# Altium PCB DL4-1AA.PcbDoc (part 4 of 5)
Units mm, origin at the board's own origin, x right, y up, seen from the top; angles counter-clockwise.
Board outline 200 x 80 mm, 4 copper layers (Top Layer, Mid 1 (GND), Mid 2 (PWR), Bottom Layer), stack 1.586 mm thick; 460 components, 324 nets, 1477 pads, 491 vias.
Unrouted connection lines stored in the file: 2.
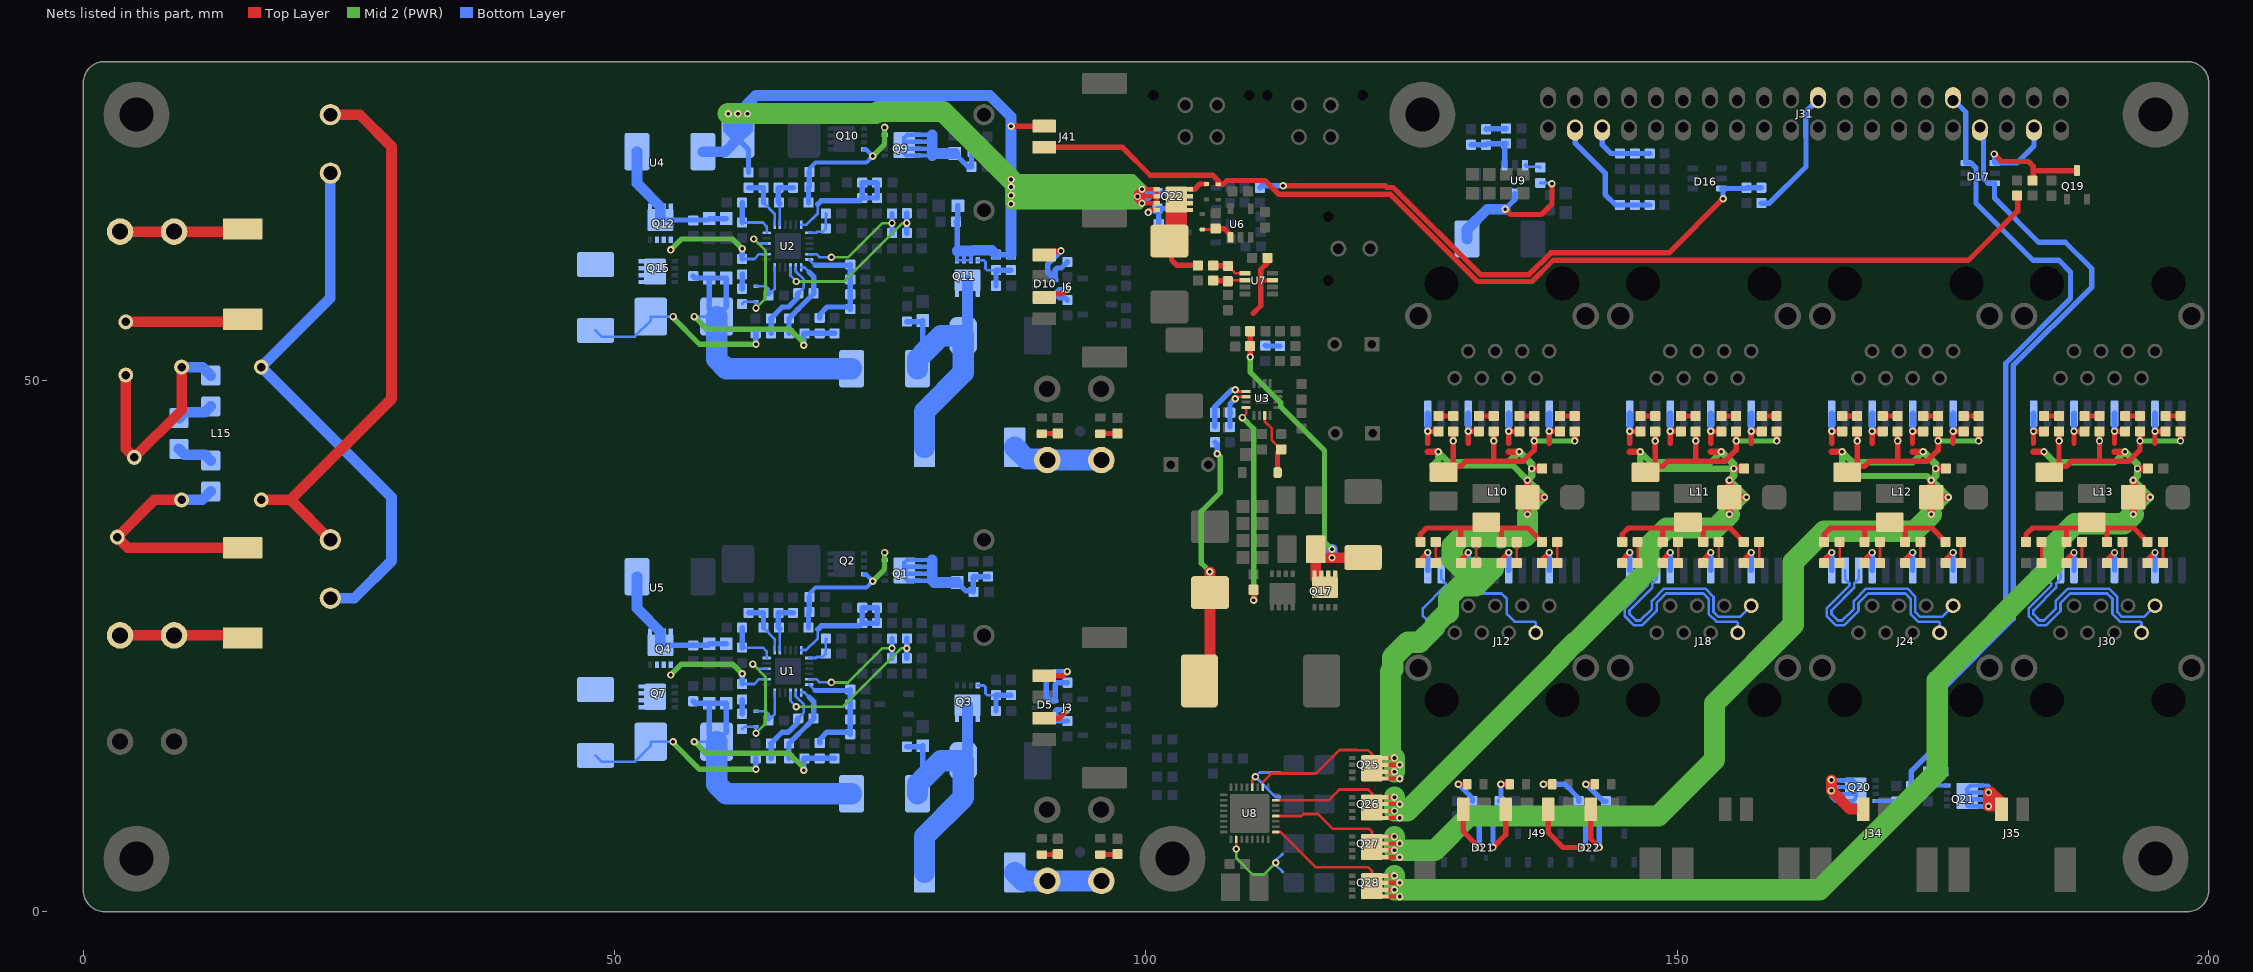
[diagram p6: the nets of this part, all layers, seen from the top]

## Via types
v1: diameter 0.7, hole 0.35, Top Layer to Bottom Layer, tented both sides, 480 vias
v2: diameter 0.7, hole 0.35, Top Layer to Bottom Layer, 11 vias

## Nets (pads, with @x,y where several pads share a name; then routed paths per layer and width w, separated by ;. In a path a pad name is that pad's centre, name@x,y a point inside that pad or via, vN(x,y) a via of type N, cw(c..) or ccw(c..) an arc to the next point about the centre after c; other vN are vias at no path point) (continued)
"IN_TD3_Ethernet Channel 1_P": J12.7 L10.23 | length 21
  Bottom Layer w0.25: L10.23@127.785,32.125 127.785,31.31 128.195,30.9 128.195,30.695 126.05,28.55 126.05,27.814 126.914,26.95 127.686,26.95 129.05,28.314 129.05,29.05 129.95,29.95 133.45,29.95 133.95,29.45 133.95,28.014 134.663,27.3 136.572,27.3 136.675,27.197 J12.7@136.675,26.25
"IN_TD3_Ethernet Channel 2_N": J18.8 L11.22 | length 20.9
  Bottom Layer w0.25: L11.22@148.055,32.125 148.055,31.31 147.645,30.9 147.645,30.509 145.5,28.364 145.5,28 146.1,27.4 146.5,27.4 147.6,28.5 147.6,29.236 148.764,30.4 152.636,30.4 153.4,29.636 153.4,28.2 153.85,27.75 155.905,27.75 J18.8@156.945,28.79
"IN_TD3_Ethernet Channel 2_P": J18.7 L11.23 | length 21
  Bottom Layer w0.25: L11.23@146.785,32.125 146.785,31.31 147.195,30.9 147.195,30.695 145.05,28.55 145.05,27.814 145.914,26.95 146.686,26.95 148.05,28.314 148.05,29.05 148.95,29.95 152.45,29.95 152.95,29.45 152.95,28.014 153.663,27.3 155.572,27.3 155.675,27.197 J18.7@155.675,26.25
"IN_TD3_Ethernet Channel 3_N": J24.8 L12.22 | length 20.9
  Bottom Layer w0.25: L12.22@167.055,32.125 167.055,31.31 166.645,30.9 166.645,30.509 164.5,28.364 164.5,28 165.1,27.4 165.5,27.4 166.6,28.5 166.6,29.236 167.764,30.4 171.636,30.4 172.4,29.636 172.4,28.2 172.85,27.75 174.905,27.75 J24.8@175.945,28.79
"IN_TD3_Ethernet Channel 3_P": J24.7 L12.23 | length 21
  Bottom Layer w0.25: L12.23@165.785,32.125 165.785,31.31 166.195,30.9 166.195,30.695 164.05,28.55 164.05,27.814 164.914,26.95 165.686,26.95 167.05,28.314 167.05,29.05 167.95,29.95 171.45,29.95 171.95,29.45 171.95,28.014 172.663,27.3 174.572,27.3 174.675,27.197 J24.7@174.675,26.25
"IN_TD3_Ethernet Channel 4_N": J30.8 L13.22 | length 20.9
  Bottom Layer w0.25: L13.22@186.055,32.125 186.055,31.31 185.645,30.9 185.645,30.509 183.5,28.364 183.5,28 184.1,27.4 184.5,27.4 185.6,28.5 185.6,29.236 186.764,30.4 190.636,30.4 191.4,29.636 191.4,28.2 191.85,27.75 193.905,27.75 J30.8@194.945,28.79
"IN_TD3_Ethernet Channel 4_P": J30.7 L13.23 | length 21
  Bottom Layer w0.25: L13.23@184.785,32.125 184.785,31.31 185.195,30.9 185.195,30.695 183.05,28.55 183.05,27.814 183.914,26.95 184.686,26.95 186.05,28.314 186.05,29.05 186.95,29.95 190.45,29.95 190.95,29.45 190.95,28.014 191.663,27.3 193.572,27.3 193.675,27.197 J30.7@193.675,26.25
"ISET1_Charger Lower": R29.2 R32.1 U1.11 | length 11.1
  Mid 2 (PWR) w0.25: v1(70.399,21.574) 71.974,21.574 75.2,24.8 v1(76.099,24.8)
  Bottom Layer w0.25: U1.11@68.3,21.877 68.972,21.877 69.262,21.587 70.386,21.587 v1(70.399,21.574)
  Bottom Layer w0.5: R29.2@76.099,23.852 v1(76.099,24.8) R32.1@76.099,25.702
"ISET1_Charger Upper": R63.2 R66.1 U2.11 | length 11.1
  Mid 2 (PWR) w0.25: v1(70.399,61.574) 71.974,61.574 75.2,64.8 v1(76.099,64.8)
  Bottom Layer w0.25: U2.11@68.3,61.877 68.972,61.877 69.262,61.587 70.386,61.587 v1(70.399,61.574)
  Bottom Layer w0.5: R63.2@76.099,63.852 v1(76.099,64.8) R66.1@76.099,65.702
"ISET2_Charger Lower": R30.2 R33.1 U1.15 | length 16.1
  Mid 2 (PWR) w0.25: v1(67.099,19.3) 71.5,19.3 77,24.8 v1(77.499,24.8)
  Bottom Layer w0.25: U1.15@66.55,20.627 66.55,19.849 v1(67.099,19.3)
  Bottom Layer w0.5: R30.2@77.499,23.852 v1(77.499,24.8) ; v1(77.499,24.8) R33.1@77.499,25.727
"ISET2_Charger Upper": R64.2 R67.1 U2.15 | length 16.1
  Mid 2 (PWR) w0.25: v1(67.099,59.3) 71.6,59.3 77.1,64.8 v1(77.499,64.8)
  Bottom Layer w0.25: U2.15@66.55,60.627 66.55,59.849 v1(67.099,59.3)
  Bottom Layer w0.5: R64.2@77.499,63.852 v1(77.499,64.8) ; v1(77.499,64.8) R67.1@77.499,65.727
ISNS+: C65.2 R71.2 U3.5 | length 5.6
  Top Layer w0.25: v1(108.4,49.125) 108.575,48.95 U3.5@109.425,48.95
  Bottom Layer w0.5: R71.2@106.5,45.625 106.5,45.65 106.475,45.675 C65.2@106.475,46.95 106.475,47.525 108.075,49.125 v1(108.4,49.125)
ISNS-: C65.1 R70.2 U3.6 | length 4
  Top Layer w0.25: v1(108.4,48.275) 108.575,48.45 U3.6@109.425,48.45
  Bottom Layer w0.5: R70.2@107.9,45.625 107.9,46.925 C65.1@107.925,46.95 ; C65.1@107.913,46.937 107.913,47.787 v1@108.314,48.188 ; v1@108.314,48.189 v1(108.4,48.275)
L: F3.1 J38.1 | length 11.6
  Top Layer w1: J38.1@3.46,26 J38.1@8.54,26 14.75,26 F3.1@15,25.75
L_f: F3.2 L15.3 R124.1 R125.1 | length 22.8
  Top Layer w1: L15.3@9.25,38.75 6.7,38.75 R124.1@3.2,35.25 4.2,34.25 F3.2@15,34.25
  Bottom Layer w1: L15.3@9.25,38.75 11.2,38.75 R125.1@12,39.55
L_filt: L15.1 U4.1 U5.1 | length 52.2
  Top Layer w1: L15.1@16.75,38.75 19.5,38.75 ; U5.1@23.25,35 19.5,38.75 ; U4.1@23.25,75 26,75 29,72 29,48.25 19.5,38.75
LDRV: R77.1 U3.8 | length 19.7
  Top Layer w0.25: v1(109.075,46.5) 109.425,46.85 U3.8@109.425,47.45
  Top Layer w0.5: v1(110.125,29.3) R77.1@110.125,30.3
  Mid 2 (PWR) w0.5: v1(109.075,46.5) 110.125,45.45 v1(110.125,29.3)
LN1: R125.2 R126.2 | length 3.5
  Bottom Layer w1: R126.2@9,43.55 9.55,43 11.45,43 R125.2@12,42.45
LN2: R126.1 R127.1 | length 3.5
  Bottom Layer w1: R126.1@9,46.45 9.55,47 11.45,47 R127.1@12,47.55
N: F4.1 J39.1 | length 11.6
  Top Layer w1: J39.1@3.46,64 J39.1@8.54,64 14.75,64 F4.1@15,64.25
N1: F4.2 R128.1 | length 11.1
  Top Layer w1: R128.1@4,55.5 14.75,55.5 F4.2@15,55.75
N_f: L15.4 R124.2 R127.2 R128.2 | length 21.5
  Top Layer w1: R128.2@4,50.5 4,43.55 R124.2@4.8,42.75 9.25,47.2 L15.4@9.25,51.25
  Bottom Layer w1: L15.4@9.25,51.25 11.2,51.25 R127.2@12,50.45
N_filt: L15.2 U4.2 U5.2 | length 51.5
  Bottom Layer w1: U5.2@23.25,29.5 25.5,29.5 29,33 29,39 L15.2@16.75,51.25 23.25,57.75 U4.2@23.25,69.5
NetC3_2: C3.2 Q1.G Q2.G R4.2 R7.1 | length 14.6
  Mid 2 (PWR) w0.5: v1(74.294,31.106) 75.4,32.213 v1(75.4,33.8)
  Bottom Layer w0.25: Q1.G@75.4,33.102 v1(75.4,33.8)
  Bottom Layer w0.4: C3.2@68.326,29.599 68.326,29.926 68.9,30.5 73.687,30.5 v1(74.294,31.106) 73.648,31.752 Q2.G@73.46,31.752
  Bottom Layer w0.5: R7.1@68.25,26.727 R4.2@68.25,28.199 ; R4.2@68.326,28.199 C3.2@68.326,29.599
NetC4_1: C4.1 C10.1 R2.2 U1.2 | length 5
  Bottom Layer w0.25: U1.2@65.55,24.627 C4.1@65.55,26.627
  Bottom Layer w0.5: C4.1@65.55,26.627 C4.1@65.45,26.727 65.4,26.777 C10.1@65.4,28.127 R2.2@66.8,28.127
NetC4_2: C4.2 C8.1 R3.2 U1.1@65.05,24.627 | length 5.3
  Bottom Layer w0.25: C4.2@64,26.727 65.05,25.677 U1.1@65.05,24.627
  Bottom Layer w0.5: R3.2@62.6,28.127 C8.1@64,28.127 C4.2@64,26.727
NetC5_1: C5.1 C6.1 C7.1 L1.2 Q4.D | length 15.4
  Bottom Layer w0.25: C5.1@58.76,25.087 60.36,25.087 C6.1@60.5,25.227
  Bottom Layer w0.5: Q4.D@54.3,25.087 58.76,25.087 C5.1@58.9,25.227 C6.1@60.5,25.227
  Bottom Layer w1: L1.2@52.1,31.527 52.1,28.552 54.3,26.352 Q4.D@54.3,25.087
NetC9_2: C9.2 Q3.G R5.2 R6.2 | length 5.3
  Bottom Layer w0.25: Q3.G@84.175,21.287 84.74,21.287 84.895,21.133 84.895,20.529 85.049,20.375 R5.2@85.899,20.375 R5.2@85.887,20.362 ; R6.2@85.874,18.9 R6.2@85.887,18.912
  Bottom Layer w0.5: R6.2@85.887,18.912 R5.2@85.887,20.362 ; R5.2@85.899,20.375 C9.2@87.299,20.375
NetC11_2: C11.2 R8.1 U1.24 | length 4.9
  Bottom Layer w0.25: C11.2@62,24.852 63.947,24.852 64.3,24.499 U1.24@64.3,23.877
  Bottom Layer w0.5: C11.2@62,24.852 R8.1@62,26.727
NetC12_1: C12.1 R12.2 | length 1.3
  Bottom Layer w0.5: R12.2@62,18.625 C12.1@62,19.975
NetC12_2: C12.2 L2.1 Q4.S Q7.D U1.20 | length 11
  Mid 2 (PWR) w0.5: v1(55.275,22.276) 56.299,23.3 61.1,23.3 v1(62,22.4)
  Bottom Layer w0.25: C12.2@62,21.425 63.154,21.425 63.606,21.877 U1.20@64.3,21.877
  Bottom Layer w0.5: C12.2@62,21.425 v1(62,22.4)
NetC13_1: C13.1 C14.1 C15.1 C16.1 L3.2 R11.2 R14.1 R15.1 | length 45.8
  Mid 2 (PWR) w0.5: v1(57.5,16) 58.6,14.9 66.4,14.9 67.8,13.5 v1(67.8,13.3)
  Bottom Layer w0.25: v1(57.5,16) R11.2@59.599,16 ; R14.1@67.8,14.377 R14.1@67.85,14.427
  Bottom Layer w0.5: C16.1@57.4,19.802 57.575,19.627 C15.1@58.9,19.627 ; v1(67.8,13.3) R14.1@67.8,14.377 ; R14.1@67.85,14.427 C13.1@69.3,14.427 R15.1@70.7,14.427 ; C15.1@58.9,19.627 58.9,16.699 R11.2@59.599,16 60.5,16.901 C14.1@60.5,19.627 C15.1@58.9,19.627
  Bottom Layer w2: R11.2@59.599,16 59.599,12 60.499,11.1 L3.2@72.299,11.1
NetC13_2: C13.2 R21.2 R23.2 R25.1 R28.1 U1.12 | length 11.9
  Bottom Layer w0.25: U1.12@68.3,21.377 68.853,20.824
  Bottom Layer w0.5: 68.853,20.824 72.098,20.824 R28.1@72.174,20.9 R25.1@72.174,19.5 R23.2@72.174,18.1 72.174,16.9 R21.2@72.174,16.7 71.974,16.9 70,16.9 69.3,16.2 C13.2@69.3,15.877
NetC17_1: C17.1 C18.1 D2.1 F1.1 L3.1 Q3.D | length 28.4
  Bottom Layer w0.25: C17.1@78.826,15.527 C17.1@78.899,15.6
  Bottom Layer w0.5: C18.1@77.5,15.527 78.826,15.527 78.9,15.527 C17.1@79,15.627 79,12.5 L3.1@78.499,11.999
  Bottom Layer w1: D2.1@82.7,14.1 D2.1@82.8,14.2 83.2,14.6 Q3.D@83.2,19.427
  Bottom Layer w2: L3.1@78.499,11.1 L3.1@78.499,11.999 ; L3.1@79,12.5 80.7,14.2 D2.1@82.8,14.2 82.8,10.725 79.15,7.075 F1.1@79.15,3.7
NetC19_1: C19.1 C23.1 R13.2 U1.14 | length 8.1
  Bottom Layer w0.25: U1.14@67.05,20.627 67.05,20.41 67.05,20.25 67.199,20.101 67.348,19.952 67.8,19.5 67.8,18.726 C19.1@67.274,18.2
  Bottom Layer w0.5: R13.2@64.725,14.427 64.725,15.802 C23.1@64.7,15.827 65.773,16.9 66.357,16.9 67.178,17.722 67.178,18.104 C19.1@67.274,18.2
NetC19_2: C19.2 C24.1 R14.2 U1.13 | length 7.8
  Bottom Layer w0.25: U1.13@67.55,20.627 67.873,20.627 68.3,20.2
  Bottom Layer w0.5: R14.2@66.4,14.427 C24.1@66.4,15.827 66.975,16.402 66.975,16.412 67.265,16.702 67.275,16.702 C19.2@68.724,18.151 ; 68.3,20.2 68.724,19.776 C19.2@68.724,18.2
NetC20_2: C20.2 D1.2 U1.18 | length 4.8
  Bottom Layer w0.25: D1.2@63.3,18.852 64.248,18.852 64.474,18.626 C20.2@64.474,18 65.05,18.576 U1.18@65.05,20.627
NetC21_1: C21.1 C22.1 U1.7 | length 3.4
  Bottom Layer w0.25: U1.7@68.3,23.877 68.927,23.877 69.024,23.975 69.549,23.975 C21.1@69.874,24.3 C22.1@69.874,25.5 ; C22.1@69.874,25.5 C22.1@69.874,25.7 69.974,25.6 C22.1@69.874,25.5
NetC25_1: C25.1 R24.2 R26.1 R27.1 U1.6 | length 13
  Bottom Layer w0.25: U1.6@67.55,24.627 68.027,24.627 69.124,25.724 69.124,26.233 ; 69.125,26.234 69.125,26.574
  Bottom Layer w0.5: 69.125,26.574 69.451,26.9 73.048,26.9 R26.1@73.3,27.152 ; R26.1@73.3,27.152 R24.2@74.7,27.152 R27.1@74.7,28.6 C25.1@73.3,28.6 R26.1@73.3,27.152
NetC27_1: C27.1 C28.1 C35.1 C127.1 J41.1@90.43,73.925 L4.1 Q11.S Q22.S R35.2 R37.1 R39.1 R132.1 | length 176.7
  Top Layer w0.4: v1(99.2,67.3) 99.225,67.325 99.625,67.325 Q22.S@101,67.325 ; v1(99.625,66.675) Q22.S@101,66.675 Q22.S@101,67.325 ; v1(99.625,67.975) Q22.S@101,67.975 Q22.S@101,67.325
  Top Layer w0.5: v1(87.3,73.9) J41.1@90.405,73.9
  Top Layer w0.7: v1@99.2,67.1 v1(99.625,66.675) 99.625,67.325 v1(99.625,67.975) 99.2,67.55 v1(99.2,67.3) v1@99.2,67.1
  Mid 2 (PWR) w1: v1@99.375,66.6 v1(87.3,66.6) v1(87.3,67.4) ; v1(99.625,67.975) 98.7,68.9 v1(87.3,68.9) v1(87.3,68.2) ; v1(87.3,67.4) 99.1,67.4 v1(99.2,67.3) 99.225,67.325 99.225,68.2 v1(87.3,68.2) ; v1(87.3,67.4) v1(87.3,68.2)
  Mid 2 (PWR) w2: v1(60.7,75.1) v1(62.5,75.1) ; v1(61.6,75.1) 74.579,75.1 74.779,75.3 80.9,75.3 v1(87.3,68.9)
  Bottom Layer w0.25: Q11.S@82.225,61.287 Q11.S@82.875,61.287 Q11.S@83.525,61.287 ; 83.525,62.151 84.57,62.151 ; 84.896,62.237 85.487,62.237 R39.1@85.899,61.825 R39.1@85.487,61.825
  Bottom Layer w0.4: Q11.S@82.225,61.287 82.225,62.175 ; Q11.S@82.875,61.287 82.875,62.175 ; Q11.S@83.525,61.287 83.525,62.151
  Bottom Layer w0.5: R35.2@61.6,72.727 62.6,71.727 R37.1@62.6,69.577 ; 82.225,62.175 82.225,64.827 C28.1@82.125,64.927 82.3,65.102 C27.1@82.3,66.427 ; R39.1@85.899,61.825 C35.1@87.299,61.825 ; 99.95,67.65 101.075,67.65 R132.1@101.1,67.625 C127.1@102.5,67.625
  Bottom Layer w0.7: R132.1@101.1,67.625 100.575,67.625 ; v1(99.2,67.3) 99.525,67.625 99.625,67.625 ; v1(99.2,67.3) 99.2,67.1 v1(99.625,66.675) ; v1(99.2,67.3) 99.2,67.55 v1(99.625,67.975) ; v1(99.625,66.675) 99.625,67.625 ; v1(99.625,66.675) 100.575,67.625 ; 99.625,67.625 99.975,67.625 ; 99.625,67.625 v1(99.625,67.975) ; v1(99.625,67.975) 99.95,67.65 99.975,67.625 ; 99.975,67.625 100.575,67.625
  Bottom Layer w1: L4.1@58.3,71.527 60.4,71.527 R35.2@61.6,72.727 ; 82.225,62.175 82.875,62.175 83.579,62.175 ; 83.717,62.237 85.487,62.237 R39.1@85.899,61.825 ; C35.1@87.299,61.825 v1@87.299,68.9 ; v1(87.3,68.9) v1(87.3,73.9) 87.3,74.8 85.3,76.8 63.3,76.8 v1(61.6,75.1) ; R35.2@61.6,72.727 60.7,73.627 v1(60.7,75.1) v1(61.6,75.1) ; R35.2@61.6,72.727 62.5,73.627 v1(62.5,75.1) v1(61.6,75.1) ; R35.2@61.6,72.727 v1(61.6,75.1)
NetC29_2: C29.2 Q9.G Q10.G R38.2 R41.1 | length 14.6
  Mid 2 (PWR) w0.5: v1(74.294,71.106) 75.4,72.213 v1(75.4,73.8)
  Bottom Layer w0.25: Q9.G@75.4,73.102 v1(75.4,73.8)
  Bottom Layer w0.4: C29.2@68.326,69.599 68.326,69.926 68.9,70.5 73.687,70.5 v1(74.294,71.106) 73.648,71.752 Q10.G@73.46,71.752
  Bottom Layer w0.5: R41.1@68.25,66.727 R38.2@68.25,68.199 ; R38.2@68.326,68.199 C29.2@68.326,69.599
NetC30_1: C30.1 C36.1 R36.2 U2.2 | length 5
  Bottom Layer w0.25: U2.2@65.55,64.627 C30.1@65.55,66.627
  Bottom Layer w0.5: C30.1@65.55,66.627 C30.1@65.45,66.727 65.4,66.777 C36.1@65.4,68.127 R36.2@66.8,68.127
NetC30_2: C30.2 C34.1 R37.2 U2.1@65.05,64.627 | length 5.3
  Bottom Layer w0.25: C30.2@64,66.727 65.05,65.677 U2.1@65.05,64.627
  Bottom Layer w0.5: R37.2@62.6,68.127 C34.1@64,68.127 C30.2@64,66.727
NetC31_1: C31.1 C32.1 C33.1 L4.2 Q12.D | length 15.4
  Bottom Layer w0.25: C31.1@58.76,65.087 60.36,65.087 C32.1@60.5,65.227
  Bottom Layer w0.5: Q12.D@54.3,65.087 58.76,65.087 C31.1@58.9,65.227 C32.1@60.5,65.227
  Bottom Layer w1: L4.2@52.1,71.527 52.1,68.552 54.3,66.352 Q12.D@54.3,65.087
NetC35_2: C35.2 Q11.G R39.2 R40.2 | length 5.3
  Bottom Layer w0.25: Q11.G@84.175,61.287 84.74,61.287 84.895,61.133 84.895,60.529 85.049,60.375 R39.2@85.899,60.375 R39.2@85.887,60.362 ; R40.2@85.874,58.9 R40.2@85.887,58.913
  Bottom Layer w0.5: R40.2@85.887,58.913 R39.2@85.887,60.362 ; R39.2@85.899,60.375 C35.2@87.299,60.375
NetC37_2: C37.2 R42.1 U2.24 | length 4.9
  Bottom Layer w0.25: C37.2@62,64.852 63.947,64.852 64.3,64.499 U2.24@64.3,63.877
  Bottom Layer w0.5: C37.2@62,64.852 R42.1@62,66.727
NetC38_1: C38.1 R46.2 | length 1.3
  Bottom Layer w0.5: R46.2@62,58.625 C38.1@62,59.975
NetC38_2: C38.2 L5.1 Q12.S Q15.D U2.20 | length 11
  Mid 2 (PWR) w0.5: v1(55.275,62.276) 56.299,63.3 61.1,63.3 v1(62,62.4)
  Bottom Layer w0.25: C38.2@62,61.425 63.154,61.425 63.606,61.877 U2.20@64.3,61.877
  Bottom Layer w0.5: C38.2@62,61.425 v1(62,62.4)
NetC39_1: C39.1 C40.1 C41.1 C42.1 L6.2 R45.2 R48.1 R49.1 | length 45.8
  Mid 2 (PWR) w0.5: v1(57.5,56) 58.7,54.8 66.5,54.8 67.8,53.5 v1(67.8,53.3)
  Bottom Layer w0.25: v1(57.5,56) R45.2@59.599,56 ; R48.1@67.8,54.377 R48.1@67.85,54.427
  Bottom Layer w0.5: C42.1@57.4,59.802 57.575,59.627 C41.1@58.9,59.627 ; v1(67.8,53.3) R48.1@67.8,54.377 ; R48.1@67.85,54.427 C39.1@69.3,54.427 R49.1@70.7,54.427 ; C41.1@58.9,59.627 C40.1@60.5,59.627 60.5,56.901 R45.2@59.599,56 58.9,56.699 C41.1@58.9,59.627
  Bottom Layer w2: R45.2@59.599,56 59.599,52 60.499,51.1 L6.2@72.299,51.1
NetC39_2: C39.2 R55.2 R57.2 R59.1 R62.1 U2.12 | length 11.9
  Bottom Layer w0.25: U2.12@68.3,61.377 68.853,60.824
  Bottom Layer w0.5: 68.853,60.824 72.098,60.824 R62.1@72.174,60.9 R59.1@72.174,59.5 R57.2@72.174,58.1 72.174,56.9 R55.2@72.174,56.7 71.974,56.9 70,56.9 69.3,56.2 C39.2@69.3,55.877
NetC43_1: C43.1 C44.1 D7.1 F2.1 L6.1 Q11.D | length 28.4
  Bottom Layer w0.25: C43.1@78.826,55.527 C43.1@78.899,55.6
  Bottom Layer w0.5: C44.1@77.5,55.527 78.826,55.527 78.9,55.527 C43.1@79,55.627 79,52.5 L6.1@78.499,51.999
  Bottom Layer w1: D7.1@82.7,54.1 D7.1@82.8,54.2 83.2,54.6 Q11.D@83.2,59.427
  Bottom Layer w2: L6.1@78.499,51.1 L6.1@78.499,51.999 ; L6.1@79,52.5 80.7,54.2 D7.1@82.8,54.2 82.8,50.725 79.15,47.075 F2.1@79.15,43.7
NetC45_1: C45.1 C49.1 R47.2 U2.14 | length 8.1
  Bottom Layer w0.25: U2.14@67.05,60.627 67.05,60.41 67.05,60.25 67.199,60.101 67.348,59.952 67.8,59.5 67.8,58.726 C45.1@67.274,58.2
  Bottom Layer w0.5: R47.2@64.725,54.427 64.725,55.802 C49.1@64.7,55.827 65.773,56.9 66.357,56.9 67.178,57.722 67.178,58.104 C45.1@67.274,58.2
NetC45_2: C45.2 C50.1 R48.2 U2.13 | length 7.8
  Bottom Layer w0.25: U2.13@67.55,60.627 67.873,60.627 68.3,60.2
  Bottom Layer w0.5: R48.2@66.4,54.427 C50.1@66.4,55.827 66.975,56.402 66.975,56.412 67.265,56.702 67.275,56.702 C45.2@68.724,58.151 ; 68.3,60.2 68.724,59.776 C45.2@68.724,58.2
NetC46_2: C46.2 D6.2 U2.18 | length 4.8
  Bottom Layer w0.25: D6.2@63.3,58.852 64.248,58.852 64.474,58.626 C46.2@64.474,58 65.05,58.576 U2.18@65.05,60.627
NetC47_1: C47.1 C48.1 U2.7 | length 3.4
  Bottom Layer w0.25: U2.7@68.3,63.877 68.927,63.877 69.024,63.975 69.549,63.975 C47.1@69.874,64.3 C48.1@69.874,65.5 ; C48.1@69.874,65.5 69.974,65.6 C48.1@69.874,65.7 C48.1@69.874,65.5
NetC51_1: C51.1 R58.2 R60.1 R61.1 U2.6 | length 13
  Bottom Layer w0.25: U2.6@67.55,64.627 68.027,64.627 69.124,65.724 69.124,66.233 ; 69.125,66.234 69.125,66.574
  Bottom Layer w0.5: 69.125,66.574 69.451,66.9 73.048,66.9 R60.1@73.3,67.152 ; R60.1@73.3,67.152 R58.2@74.7,67.152 R61.1@74.7,68.6 C51.1@73.3,68.6 R60.1@73.3,67.152
NetC60_1: C60.1 C61.1 C67.1 L9.1 Q17.D R78.1 | length 39
  Top Layer w0.5: v1(109.8,52.2) C67.1@109.8,53.225 R78.1@109.8,54.625
  Top Layer w1: Q17.D@116.825,30.525 115.975,31.375 C60.1@115.975,34.125 116.775,33.325 117.475,33.325 v1(117.5,33.3) L9.1@120.4,33.3
  Mid 2 (PWR) w0.5: v1(109.8,52.2) 109.8,50.8 112.675,47.925 112.675,47.525 116.8,43.4 116.8,34.8 v1(117.5,34.1) v1(117.5,33.3)
  Bottom Layer w1: v1@117.5,34.125 C61.1@115.975,34.125 ; C61.1@115.975,34.125 117.475,34.125 v1(117.5,34.1) v1(117.5,33.3) 116.8,33.3 C61.1@115.975,34.125
NetC66_1: C66.1 D11.1 U3.11 | length 6.2
  Top Layer w0.25: U3.11@111.175,46.7 111.175,46.15 111.825,45.5 111.825,44.4 C66.1@112.725,43.5
  Top Layer w0.5: D11.1@112.375,41.325 112.375,43.15 C66.1@112.725,43.5
NetC70_1: C70.1 R76.2 | length 1.4
  Bottom Layer w0.5: R76.2@111.225,53.275 111.275,53.225 C70.1@112.6,53.225
NetC72_2: C72.2 D12.2 J8.1 J10.1 Q25.D U8.2 | length 94.6
  Top Layer w0.25: U8.2@111,11.7 111,12.2 111.8,13 116,13 118.225,15.225 119.835,15.225 119.86,15.2 120.9,15.2 121.26,14.84 Q25.D@121.26,13.5
  Top Layer w0.4: Q25.D@121.26,13.5 121.585,13.175 Q25.D@122.525,13.175 v1(123.375,13.175) ; Q25.D@122.525,12.525 v1(123.875,12.525) ; Q25.D@122.525,13.825 v1(123.875,13.825) ; Q25.D@122.525,14.475 v1(123.375,14.475)
  Top Layer w0.6: J10.1@126.515,43.285 v1(127.5,43.285) ; J8.1@134.135,43.285 v1(135.12,43.285)
  Top Layer w0.7: v1(135.9,37.4) D12.2@135.9,39 ; v1(135.9,40.6) D12.2@135.9,39 ; v1(136.3,41.7) C72.2@137.275,41.7 ; v1(137.5,39) D12.2@135.9,39
  Mid 2 (PWR) w0.6: 134.135,42.3 128.485,42.3 v1(127.5,43.285) 127.5,42.5 127,42 134.5,42 v1(135.9,40.6)
  Mid 2 (PWR) w0.7: 134.135,42.3 v1(135.12,43.285) 136.3,42.105 v1(136.3,41.7) 136.3,41 v1(135.9,40.6) v1(137.5,39) v1(135.9,37.4)
  Mid 2 (PWR) w2: v1(123.375,13.175) v1(123.375,14.475) 123,14.85 123,22.6 123.225,22.825 123.225,23.944 124.631,25.35 125.75,25.35 127.205,26.805 127.205,27.016 128.289,28.1 128.475,28.1 128.475,29.556 129.559,30.64 131.04,30.64 132.7,32.3 132.034,32.3 131.184,32.3 131.065,32.419 130.946,32.3 129.704,32.3 128.825,33.179 128.825,34.421 129.704,35.3 130.946,35.3 131.065,35.181 131.184,35.3 132.034,35.3 133.276,35.3 133.395,35.181 133.514,35.3 134.756,35.3 134.875,35.181 134.994,35.3 135.7,35.3 135.9,35.5 v1(135.9,37.4)
NetC73_1: C73.1 R81.2 | length 2
  Top Layer w0.25: R81.2@127.265,32.8 C73.1@127.265,34.8
NetC73_2: C73.2 C74.2 C75.2 C76.2 C81.1 | length 17.6
  Top Layer w0.5: C73.2@125.815,34.8 125.815,35.515 126.4,36.1 131.45,36.1 C81.1@132,36.65 ; C74.2@129.625,34.8 129.625,36.1 ; C75.2@133.435,34.8 133.435,36.1 ; C76.2@137.245,34.8 135.945,36.1 133.435,36.1 ; C81.1@132,36.65 C81.1@132.55,36.1 ; C81.1@132,36.65 C81.1@132.55,36.1 ; C81.1@132.55,36.1 133.435,36.1 ; C81.1@132.55,36.1 133.435,36.1
NetC74_1: C74.1 R82.2 | length 2
  Top Layer w0.25: R82.2@131.075,32.8 C74.1@131.075,34.8
NetC75_1: C75.1 R83.2 | length 2
  Top Layer w0.25: R83.2@134.885,32.8 C75.1@134.885,34.8
NetC76_1: C76.1 R84.2 | length 2
  Top Layer w0.25: R84.2@138.695,32.8 C76.1@138.695,34.8
NetC77_1: C77.1 R85.2 | length 1.4
  Top Layer w0.5: R85.2@138.945,46.65 C77.1@140.345,46.65
NetC77_2: C77.2 C78.2 C79.2 C80.2 C82.1 | length 22.9
  Top Layer w0.5: C80.2@128.915,45.2 v1(128.915,44.3) 128.915,42.265 C82.1@128,41.35 128.55,41.9 129.6,41.9 130.1,42.4 132.725,42.4 ; C79.2@132.725,45.2 v1(132.725,44.3) 132.725,42.4 ; C78.2@136.535,45.2 v1(136.535,44.3) 136.535,43.435 135.5,42.4 132.725,42.4 ; v1(140.345,44.3) C77.2@140.345,45.2